# Altium PCB Graviton-RB1.PcbDoc (part 1 of 11) (continued)
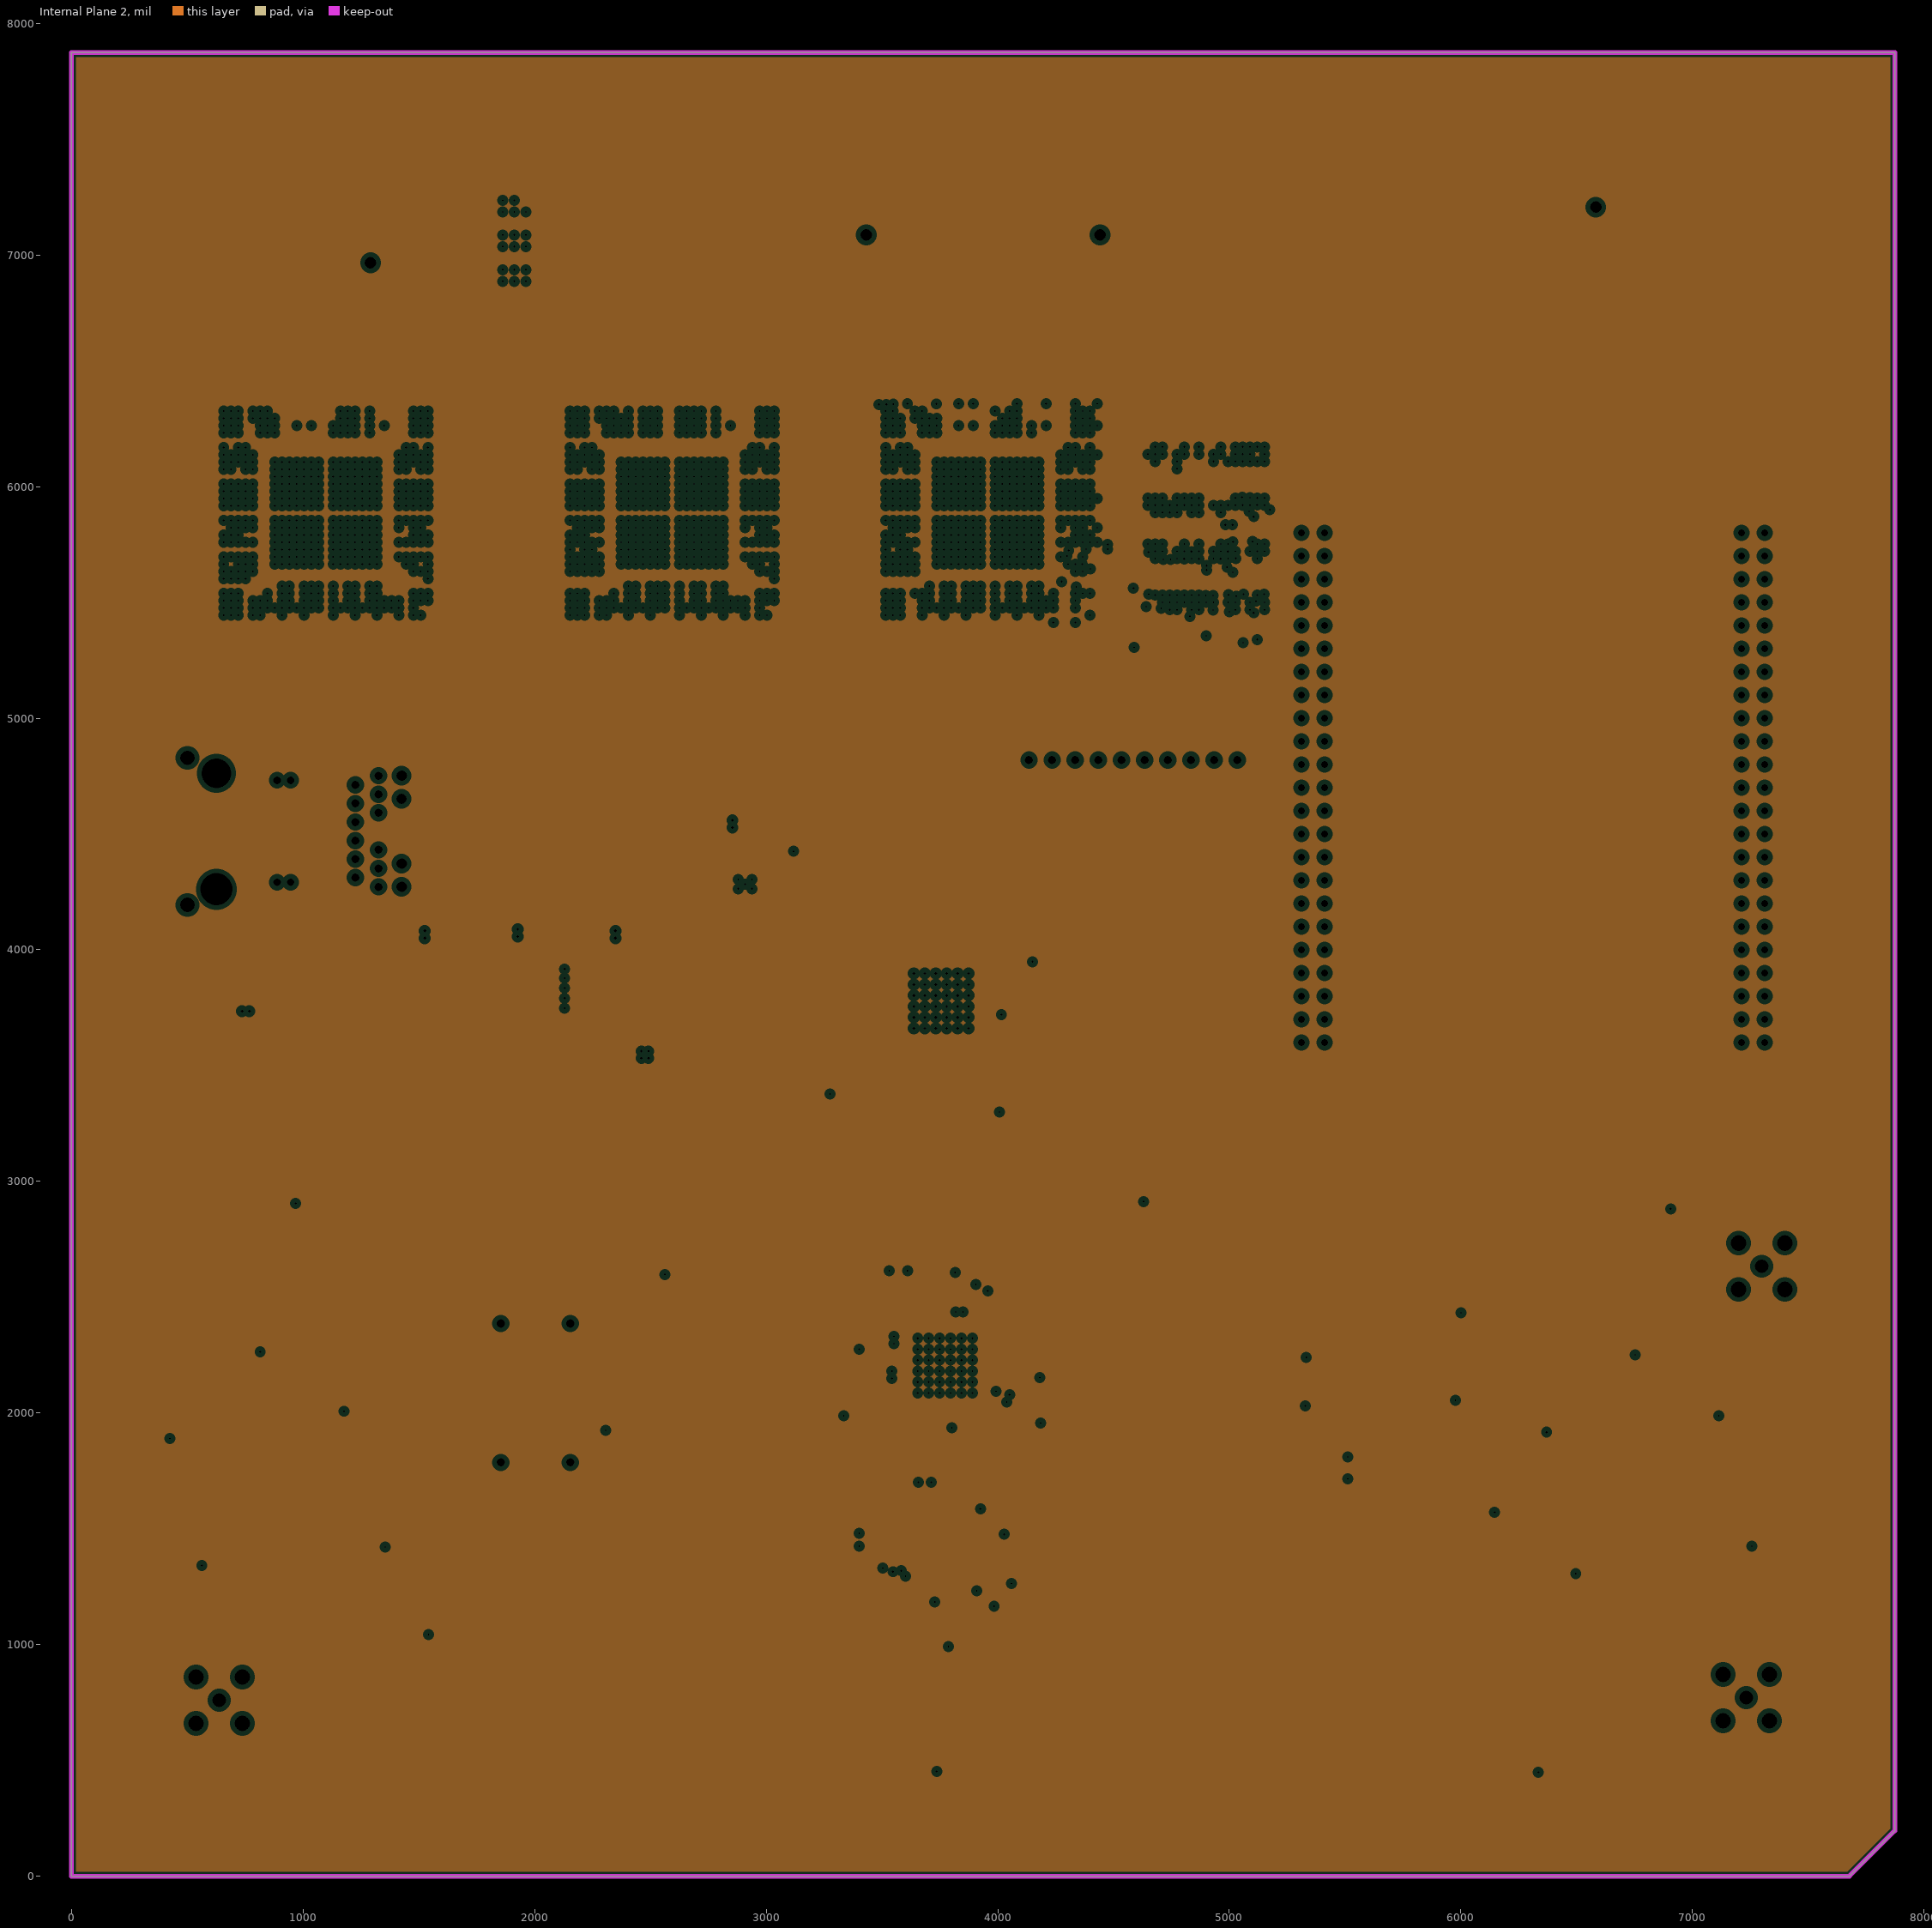
[diagram p4: Internal Plane 2, clearances drawn from the general rule]
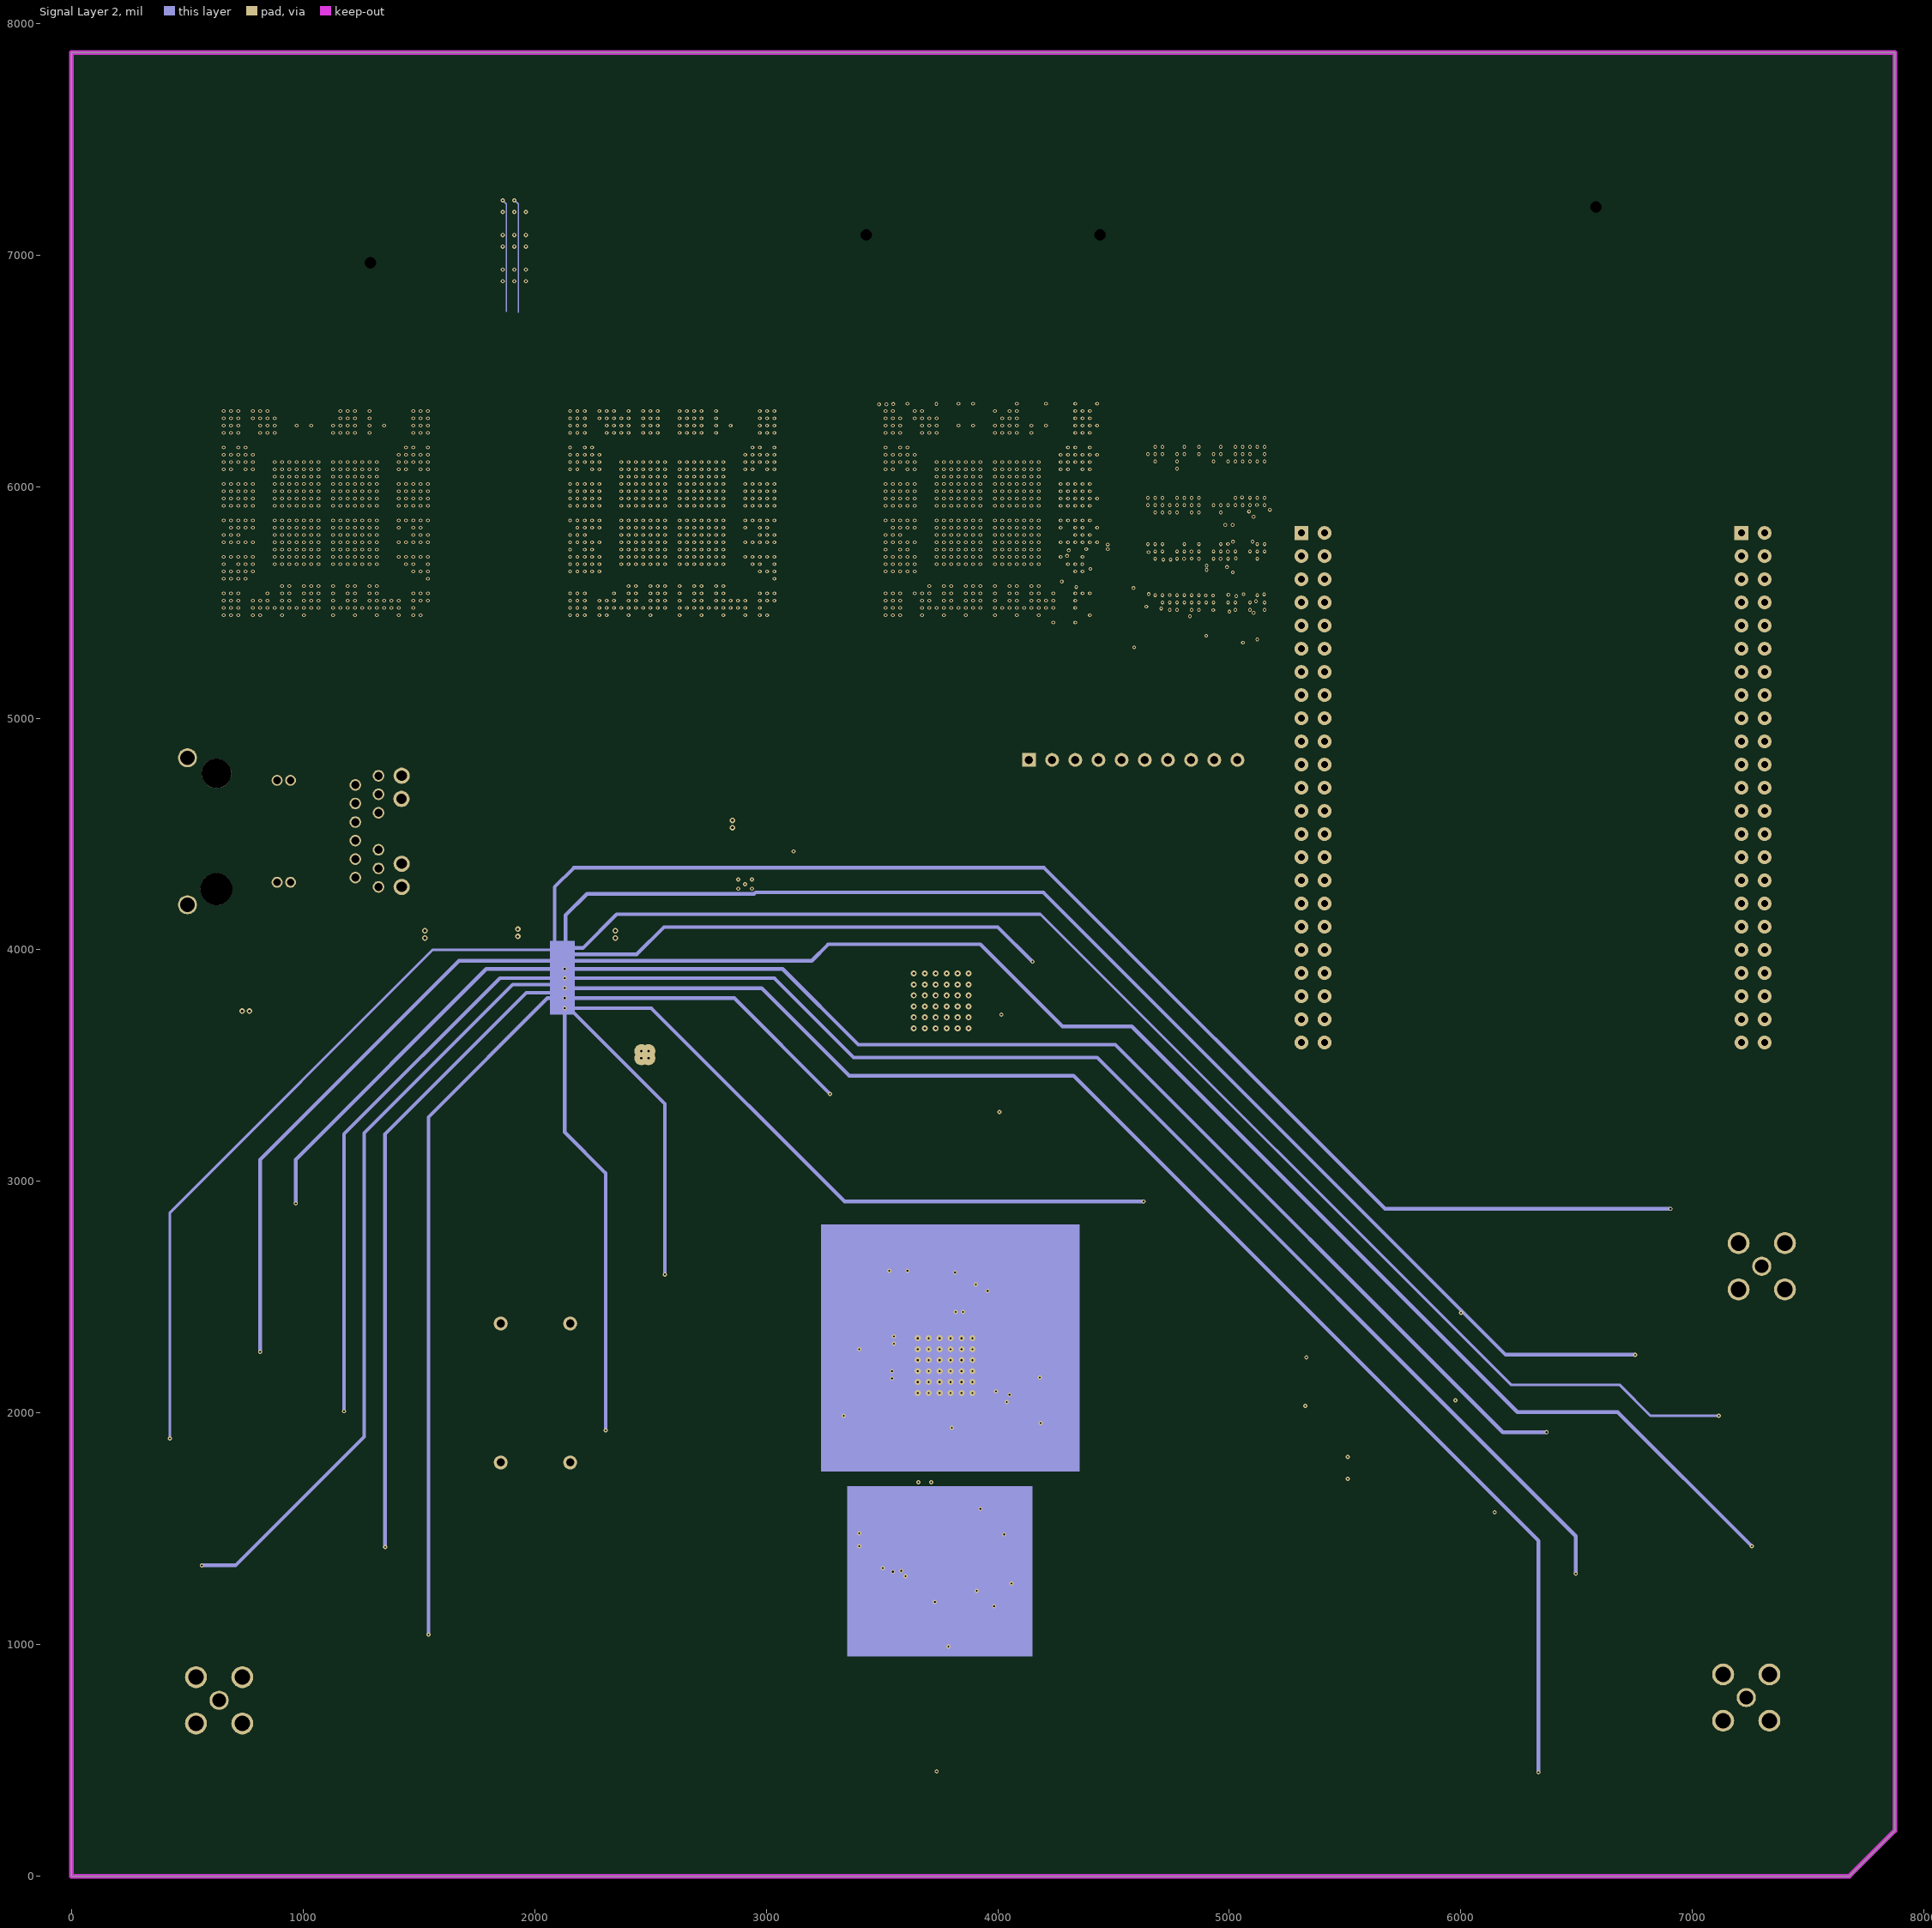
[diagram p5: Signal Layer 2]
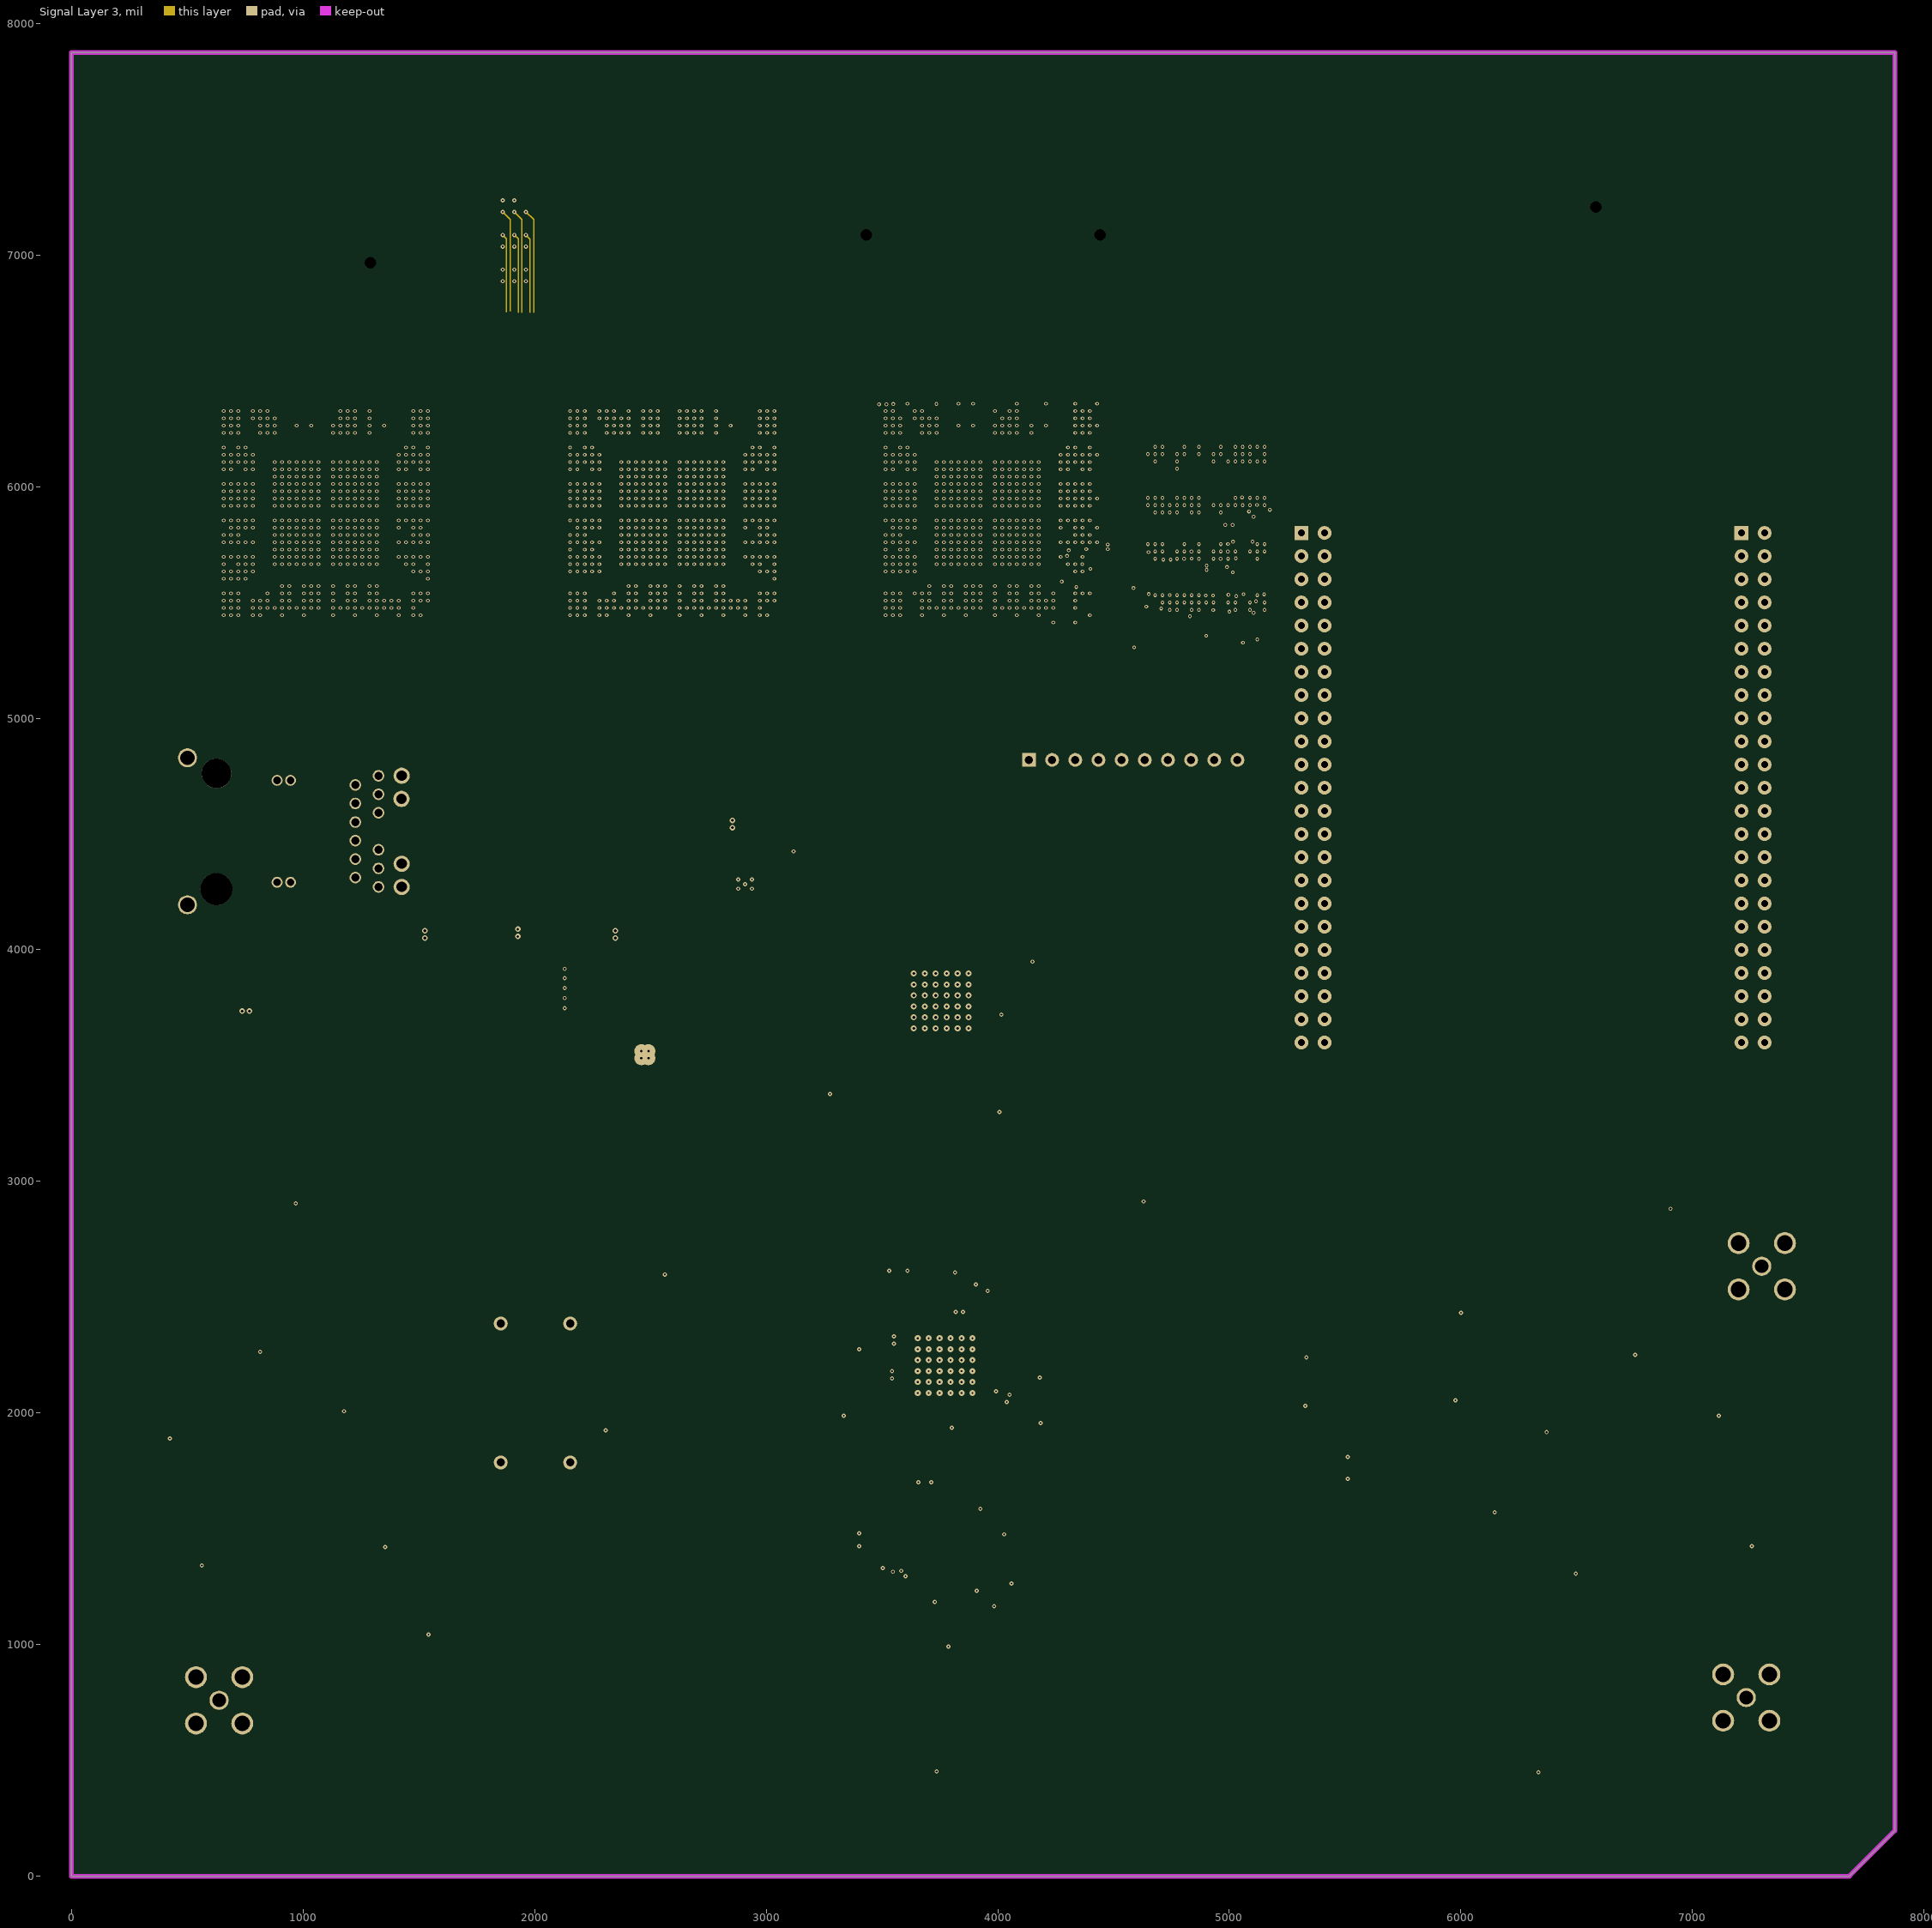
[diagram p6: Signal Layer 3]
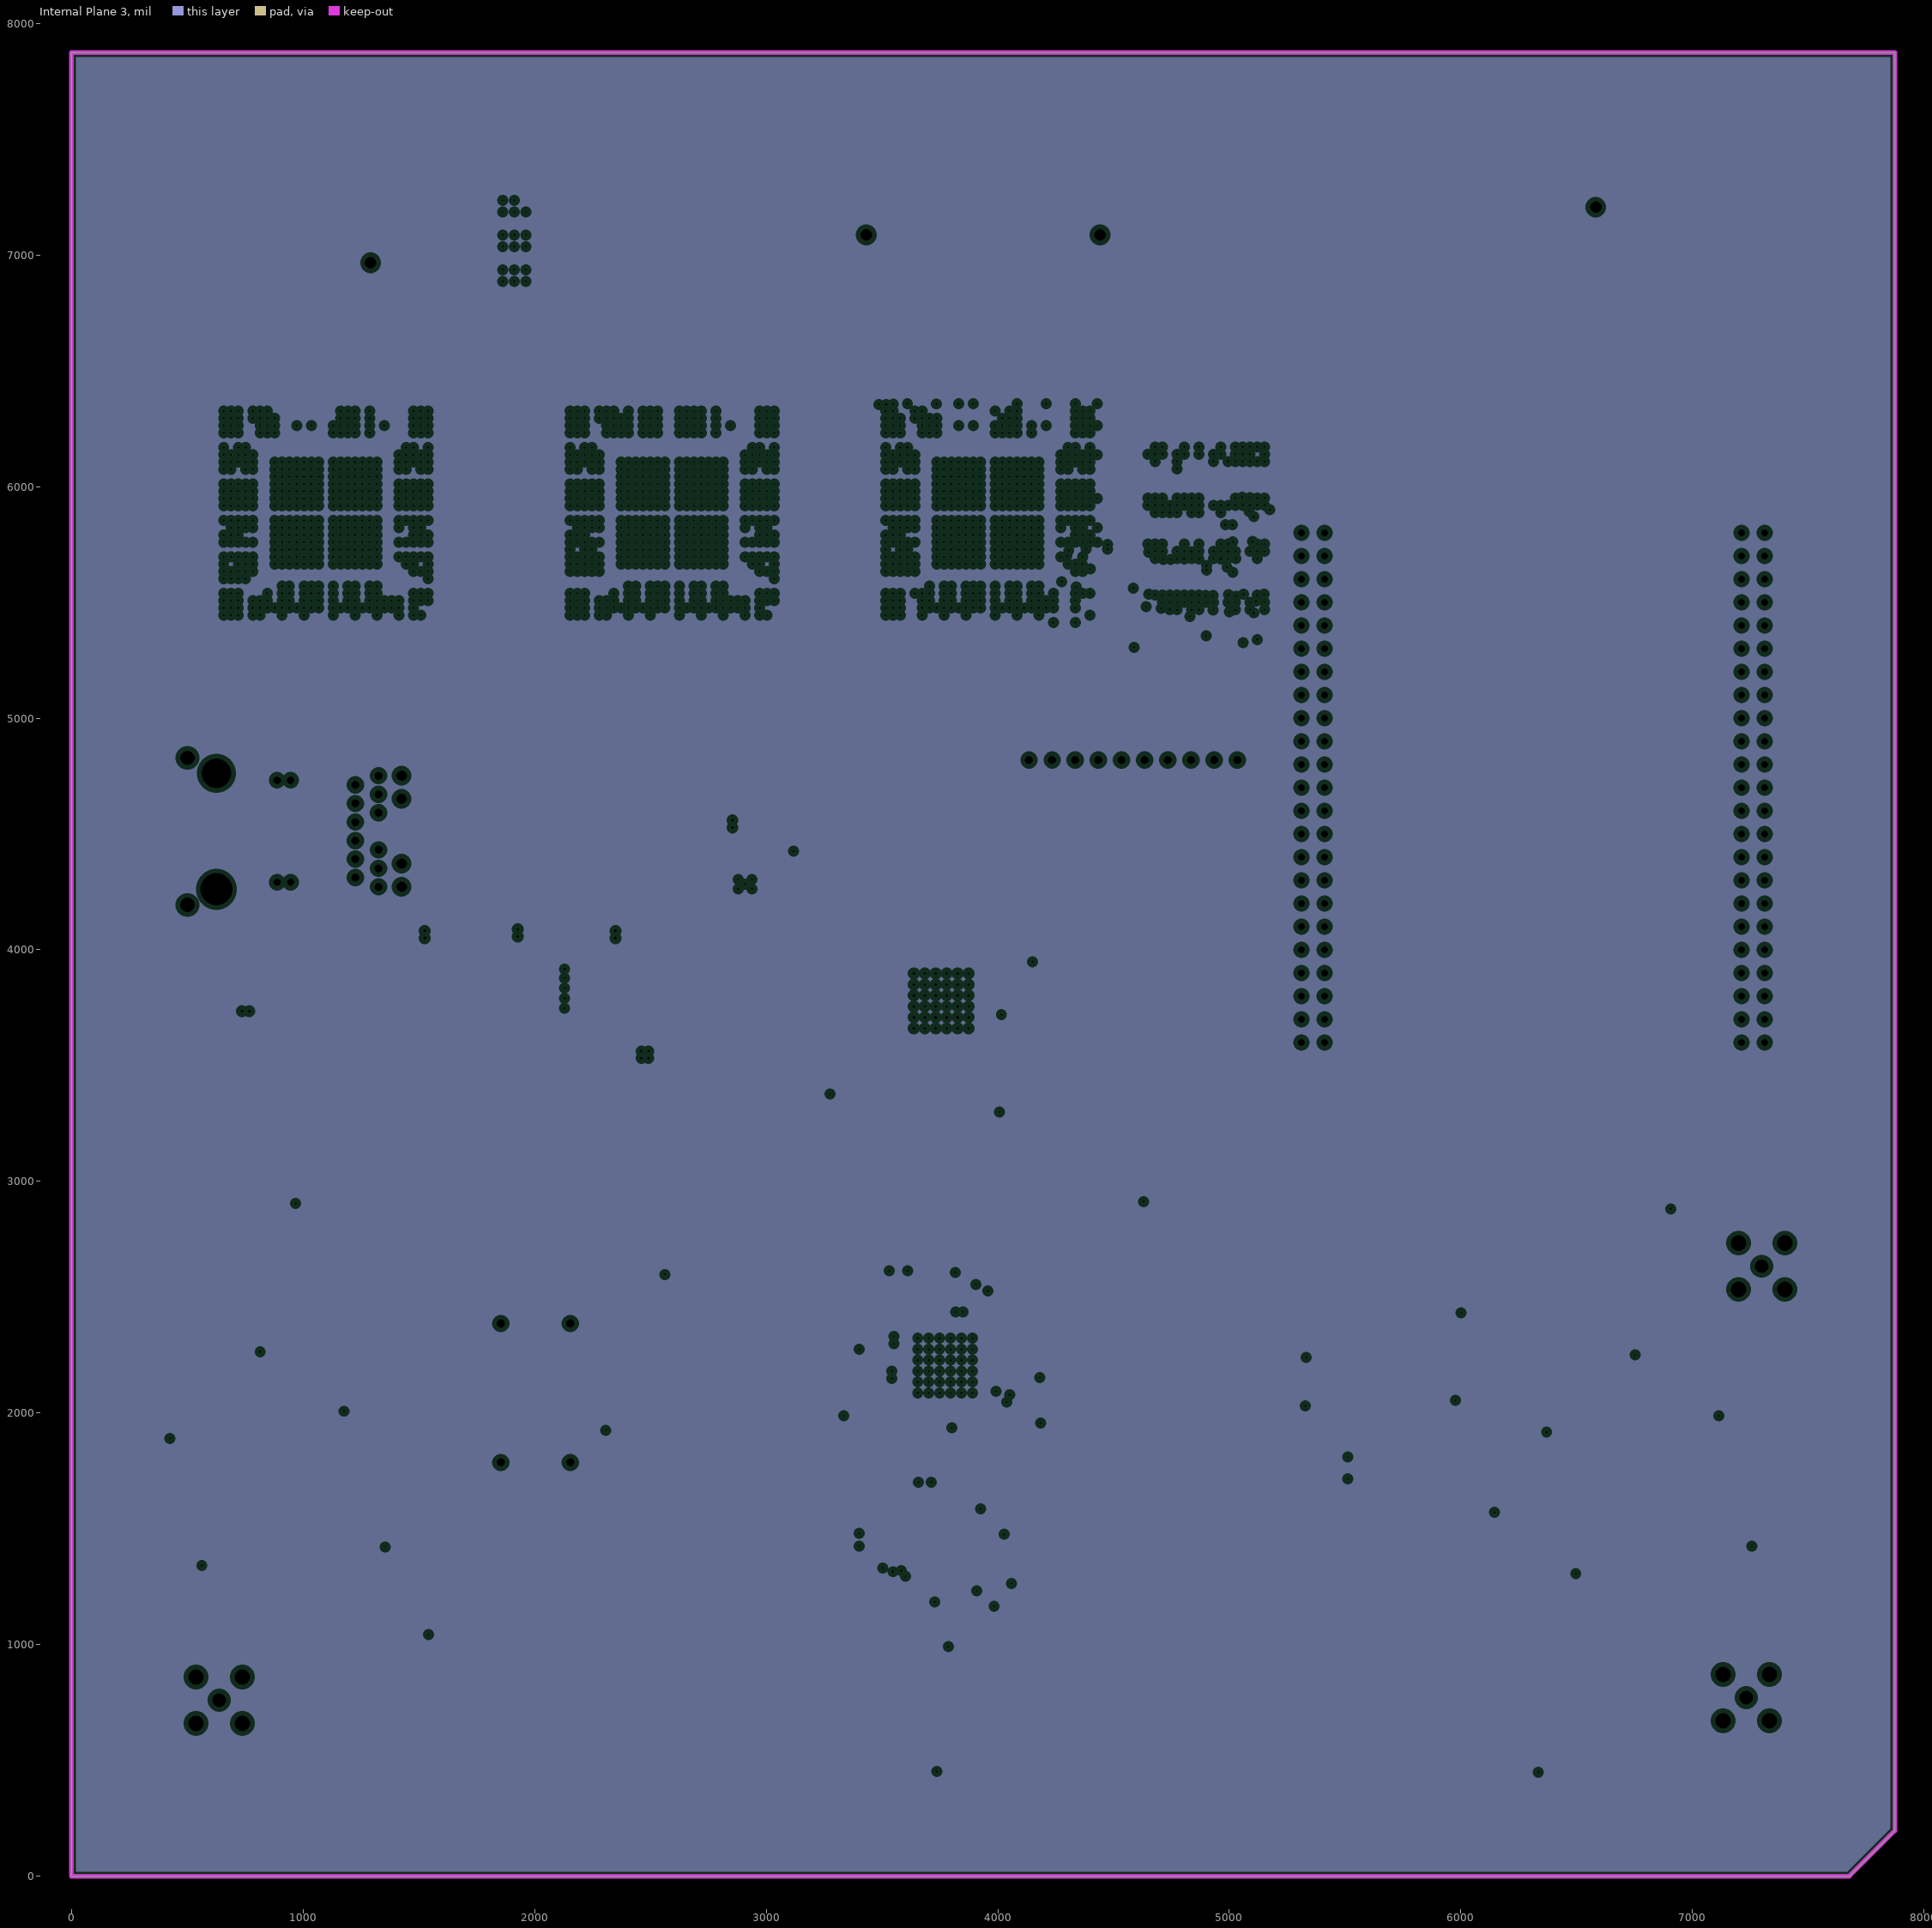
[diagram p7: Internal Plane 3, clearances drawn from the general rule]